# Altium PCB 控制板.PcbDoc (part 8 of 12)
Units mil, origin at the board's own origin, x right, y up, seen from the top; angles counter-clockwise.
Board outline 8150.4 x 2246.9 mil, 6 copper layers (TopLayer, MidLayer1, MidLayer2, MidLayer3, MidLayer4, BottomLayer); 1570 components, 853 nets, 4888 pads, 1859 vias.
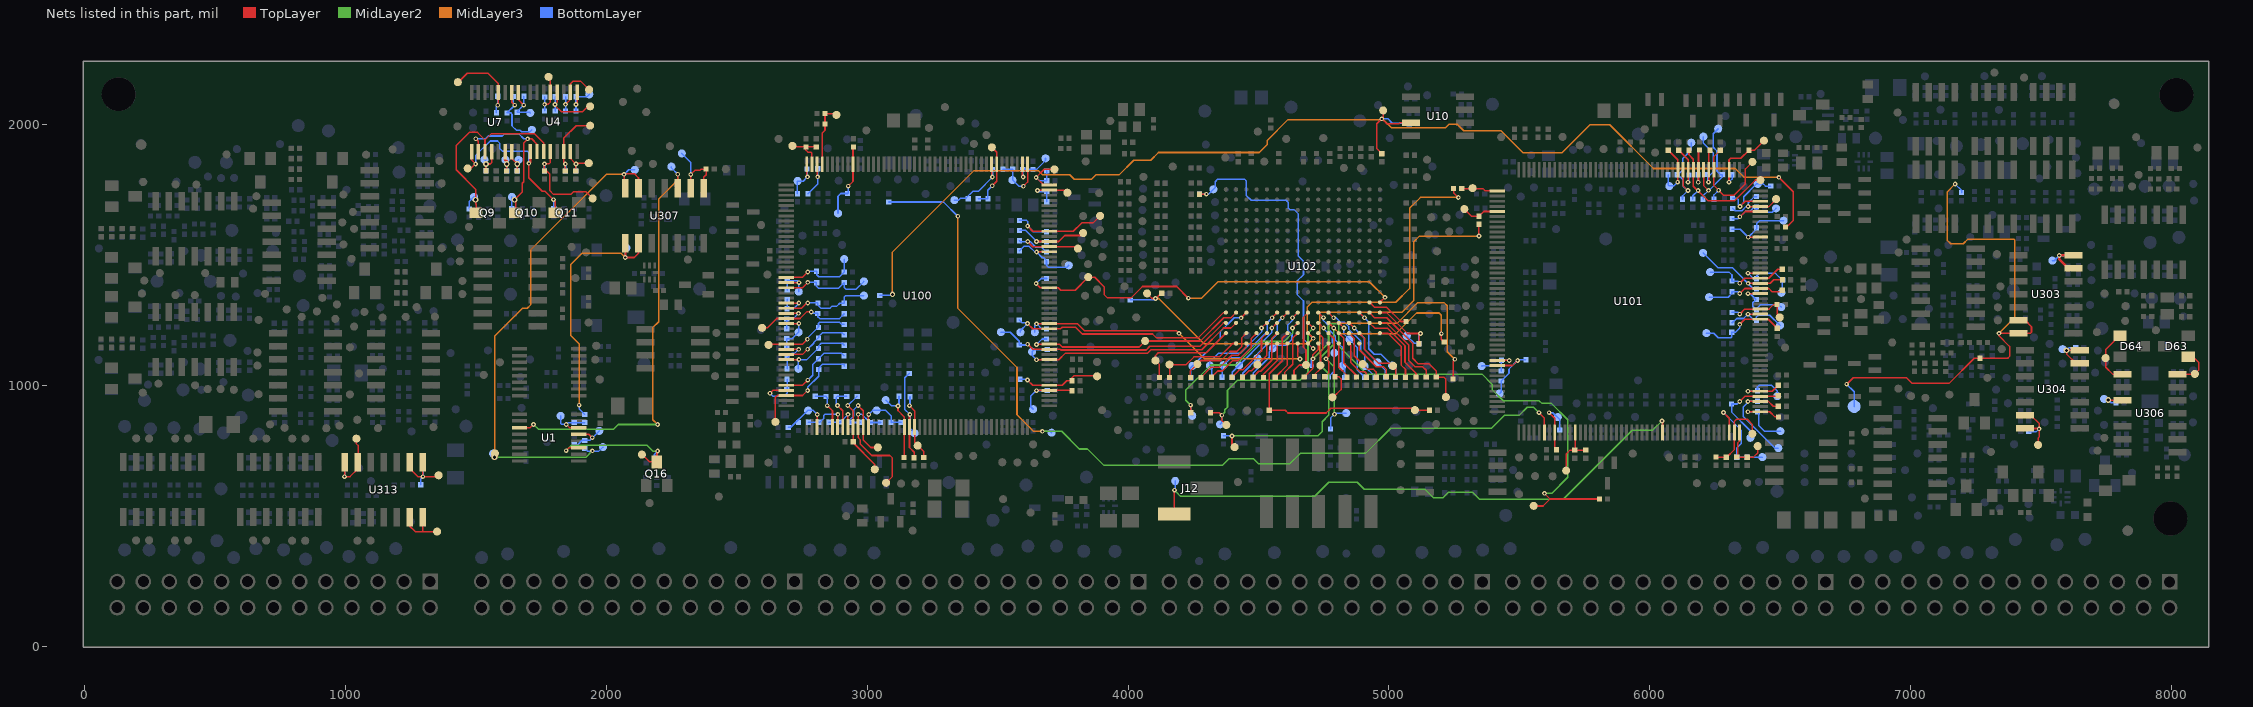
[diagram p12: the nets of this part, all layers, seen from the top]

## Via types
v1: diameter 18, hole 8, TopLayer to BottomLayer, tented both sides, 1737 vias
v2: diameter 20, hole 12, TopLayer to BottomLayer, tented both sides, 71 vias
v3: diameter 22, hole 12, TopLayer to BottomLayer, tented both sides, 51 vias

## Nets (pads, with @x,y where several pads share a name; then routed paths per layer and width w, separated by ;. In a path a pad name is that pad's centre, name@x,y a point inside that pad or via, vN(x,y) a via of type N, cw(c..) or ccw(c..) an arc to the next point about the centre after c; other vN are vias at no path point) (continued)
NetU303_6: R38.1 R324.2 TP18.1 U303.6 U303.7 | length 2025.9
  TopLayer w6: v1(6755.1,1005.3) 6755.8,1005.3 6780.5,1030 6984.7,1030 7006.5,1008.2 7148,1008.2 7244.4,1104.6 7372.8,1104.6 7379.9,1111.7 7379.9,1150 7339,1190.9 v1(7339,1200) 7459,1200 7464,1205 7464,1225.5 7439.57,1249.93 U303.6@7414.4,1249.93
  MidLayer3 w6: v1(7171.1,1773) 7141.5,1743.4 7141.5,1555.9 7154,1543.4 7202.4,1543.4 7220.7,1561.7 7396.1,1561.7 7399.9,1557.9 7399.9,1260.9 v1(7339,1200)
  BottomLayer w6: v1(6755.1,1005.3) 6784,976.4 TP18.1@6784,919.6 ; v1(7171.1,1773) 7195.7,1748.4 R324.2@7195.7,1739.6
NetU303_13: pad.323 R285.2 U303.13 U303.14 | length 211.1
  TopLayer w10: U303.13@7625.2,1449.67 7605.23,1449.67 7570.3,1484.6 v1(7570.3,1498.8) 7571.1,1499.6 U303.14@7625.2,1499.6
  BottomLayer w6: pad.323@7544,1478.8 7551.1,1478.8 7570.7,1498.4 R285.2@7608.2,1498.4
NetU304_6: pad.289@7489,772.1 R289.2 U304.6 U304.7 | length 251.7
  TopLayer w6: U304.7@7438.6,835.4 7491.6,835.4 v1(7493.2,833.8) ; U304.6@7438.6,885.33 7462.47,885.33 7494.4,853.4 7494.4,804.1 7489,798.7 pad.289@7489,772.1
  BottomLayer w6: R289.2@7453.6,823.4 7482.8,823.4 v1(7493.2,833.8)
NetU304_13: pad.322 R273.2 U304.13 U304.14 | length 168.9
  TopLayer w6: U304.13@7649.4,1085.07 7634.83,1085.07 7598.6,1121.3 v3(7598.6,1135) U304.14@7649.4,1135
  BottomLayer w6: v3(7598.6,1135) 7608.2,1144.6 R273.2@7633.2,1144.6
NetU306_7: D63.1 pad.293@8090.3,1044.6 U306.7 | length 165.2
  TopLayer w6: U306.7@8024,1043.8 8089.5,1043.8 8104.4,1058.7 8104.4,1089.2 8083.6,1110 D63.1@8064.9,1110
NetU306_8: D64.1 pad.292@7748.2,1105 U306.8 | length 220.6
  TopLayer w6: D64.1@7804,1190.5 7801.1,1190.5 7748.6,1138 7748.6,1070 7774.8,1043.8 U306.8@7813.2,1043.8
NetU306_10: pad.343 R262.2 U306.10 | length 89.7
  TopLayer w6: v3(7758.2,945) 7759.27,943.93 U306.10@7813.2,943.93
  BottomLayer w6: v3(7758.2,945) 7769.4,933.8 R262.2@7787.8,933.8
NetU307_2: pad.71@2289.2,1890 R176.2 U307.1 U307.2 | length 293
  TopLayer w6: U307.2@2322.87,1756.7 2322.87,1809.17 2338.3,1824.6 2357.8,1824.6 2363.2,1830 R176.2@2382.4,1830 2382.4,1808.4 2372.8,1798.8 U307.1@2372.8,1756.7
  BottomLayer w6: pad.71@2289.2,1890 2323.6,1855.6 v1(2323.6,1809.2)
NetU307_6: pad.61@1986.9,764.2 pad.63@1565.3,739.2 pad.69@2108.8,1827.1 pad.87@1572.4,739.6 R598.2 U307.6 U307.7 | length 2026.9
  TopLayer w6: U307.7@2073.2,1756.7 2073.2,1787.3 2067.8,1792.7 v1(2067.8,1809.6) 2070.7,1812.5 2106.8,1812.5 2123.13,1796.17 U307.6@2123.13,1756.7
  TopLayer w22: v3(1571.3,725) pad.87@1572.4,739.6
  MidLayer2 w6: v3(1571.3,725) 1921.5,725 v1(1946.1,749.6)
  MidLayer3 w6: v3(1571.3,725) 1571.3,1189.4 1678.2,1296.3 1696.5,1296.3 1709.4,1309.2 1709.4,1519.2 1999.8,1809.6 v1(2067.8,1809.6)
  BottomLayer w6: R598.2@1916.9,758.4 1926.5,748.8 1971.5,748.8 pad.61@1986.9,764.2 ; v1(2067.8,1809.6) 2085.3,1827.1 pad.69@2108.8,1827.1
NetU307_9: pad.100@2076.9,1527.5 R599.1 U307.8 U307.9 | length 1021.7
  TopLayer w6: U307.8@2073.2,1545.9 2073.2,1491.7 v1(2072.4,1490.9) 2106.9,1490.9 2123.13,1507.13 U307.9@2123.13,1545.9
  MidLayer3 w6: v1(1895.7,925) 1895.7,1159.2 1863.2,1191.7 1863.2,1464.2 1907,1508 2055.3,1508 v1(2072.4,1490.9)
  BottomLayer w6: v1(1895.7,925) 1895.7,910.4 R599.1@1916.9,889.2 ; v1(2072.4,1490.9) 2072.4,1523 pad.100@2076.9,1527.5
NetU313_6: pad.89@1350.7,440 U313.6 U313.7 | length 201
  TopLayer w6: U313.6@1246.17,495 1246.17,460.83 1267,440 pad.89@1350.7,440 ; 1296.1,441.3 U313.7@1296.1,495
NetU313_9: pad.88@1356.9,655.9 R645.2 R646.1 U313.8 U313.9 | length 277.3
  TopLayer w6: U313.9@1246.17,705.8 1246.17,681.63 1277.3,650.5 1351.5,650.5 pad.88@1356.9,655.9 ; U313.8@1296.1,705.8 1296.1,650.9 v1(1296.5,650.5)
  BottomLayer w6: R645.2@1288.1,619.6 1288.1,642.1 1297.4,651.4 R646.1@1297.4,687.5
NetU313_13: pad.37@1041.5,796.3 R685.1 U313.13 U313.14 | length 274.4
  TopLayer w6: U313.14@996.5,705.8 996.5,650.9 1017.3,650.9 1047.8,681.4 1047.8,770 1041.5,776.3 pad.37@1041.5,796.3
  BottomLayer w6: v1(996.1,650.5) 997.4,651.8 R685.1@997.4,688
R\S\T\_0: pad.201@4978.2,2054.6 R23.2 R120.1 R454.2 R553.1 U10.7 | length 4696.8
  TopLayer w6: R120.1@4972.6,1889 4972.6,1889.8 4953.6,1908.8 4953.6,2003.3 4978.2,2027.9 pad.201@4978.2,2054.6 ; v1(4972.8,2022.5) 4990.9,2004.4 5040.5,2004.4 5043.9,2007.8 U10.7@5085.2,2007.8 ; v1(6495.3,1798.4) 6550.5,1743.2 6550.5,1632.8 6525.7,1608 R23.2@6520.6,1608
  MidLayer3 w6: v2(3096.5,1349.6) 3096.5,1511.7 3409,1824.2 3655.7,1824.2 3671.9,1808 3776.5,1808 3794,1790.5 3859.5,1790.5 3876.5,1807.5 3965.2,1807.5 4021.5,1863.8 4087,1863.8 4116.6,1893.4 4502.8,1893.4 4534.4,1925 4534.4,1940.4 4613.6,2019.6 4978.6,2019.6 5009.8,1988.4 5217.4,1988.4 5230.7,2001.7 5261.9,2001.7 5286.9,1976.7 5429.9,1976.7 5514.5,1892.1 5663.6,1892.1 5771.1,1999.6 5846.8,1999.6 6014.3,1832.1 6327.8,1832.1 6361.5,1798.4 v1(6495.3,1798.4)
  BottomLayer w6: R553.1@3048.2,1345.5 3092.4,1345.5 v2(3096.5,1349.6) ; v1(4972.8,2022.5) 4996.8,2022.5 5013.4,2005.9 5075.7,2005.9 R454.2@5078.2,2003.4
U1-3_0: pad.70@2249.4,1839.6 U1.3 U307.3 | length 1650.2
  TopLayer w6: U1.3@1666.5,838.74 1708.54,838.74 v1(1720.7,850.9) ; U307.3@2272.93,1756.7 2272.93,1809.33 v1(2273.6,1810)
  MidLayer2 w6: v1(1720.7,850.9) 1739.5,832.1 2027.4,832.1 2045.8,850.5 v1(2196.5,850.5)
  MidLayer3 w6: v1(2196.5,850.5) 2178.2,868.8 2178.2,1222.1 2200.7,1244.6 2200.7,1715.5 2273.6,1788.4 v1(2273.6,1810)
  BottomLayer w6: pad.70@2249.4,1839.6 2249.4,1834.2 v1(2273.6,1810)
U1-11_0: pad.103@2136.1,735.5 Q16.3 R597.1 U1.11 | length 583.8
  TopLayer w6: v1(1845.7,750.5) 1857.06,761.86 U1.11@1894,761.86 ; pad.103@2136.1,735.5 2137.4,735.5 2165.8,707.1 Q16.3@2193.2,707.1 2194,707.9 2194,746.3 v1(2196.5,748.8)
  MidLayer2 w6: v1(1845.7,750.5) 1866.1,770.9 2155.6,770.9 2177.7,748.8 v1(2196.5,748.8)
  BottomLayer w6: R597.1@2184.4,703.4 2184.4,736.7 v1(2196.5,748.8)
U1-13_0: C371.1 pad.60@1972.8,825.9 R598.1 U1.13 | length 174.9
  TopLayer w6: U1.13@1894,813.11 1932.59,813.11 v1(1945.7,800)
  BottomLayer w6: C371.1@1876.9,773 1889.9,773 1907.4,790.5 1937.4,790.5 pad.60@1972.8,825.9
U1-14_0: C372.1 pad.59@1824.4,883.4 R599.2 U1.14 | length 178.2
  TopLayer w6: v1(1846.1,850.9) 1858.26,838.74 U1.14@1894,838.74
  BottomLayer w6: pad.59@1824.4,883.4 1824.4,855.5 1829,850.9 v1(1846.1,850.9) 1853.2,858 R599.2@1916.9,858
U4-9_0: pad.72@1468.2,1832.5 Q11.3 R621.2 U4.9 U7.9 | length 742.4
  TopLayer w6: pad.72@1468.2,1832.5 1480.4,1832.5 1497.1,1849.2 v1(1498.6,1849.2) 1483.4,1864.4 U7.9@1483.4,1896.3 ; v1(1702.8,1851.7) 1702.8,1796.3 1754.1,1745 1764.2,1745 1804,1705.2 Q11.3@1804,1662.1
  TopLayer w10: v1(1702.8,1851.7) 1708.4,1857.3 U4.9@1708.4,1897.1
  BottomLayer w6: v1(1498.6,1849.2) 1498.6,1881.7 1554.4,1937.5 1582.8,1937.5 1591.9,1928.4 1591.9,1908 1602.4,1897.5 1698.7,1897.5 1702.8,1893.4 v1(1702.8,1851.7) ; v1(1797.4,1712.5) 1797.8,1712.1 R621.2@1797.8,1677.9
U4-10_0: pad.13@1637.8,1723 Q10.3 R624.2 U4.10 U7.10 | length 687.7
  TopLayer w6: v1(1499,1946.3) 1509.03,1936.27 U7.10@1509.03,1896.3 ; Q10.3@1652.4,1662.9 1652.4,1717.1 1677.8,1742.5 1677.8,1775.7 1683.2,1781.1 1683.2,1930.1 1699,1945.9 1713.6,1945.9 1734.03,1925.47 U4.10@1734.03,1897.1
  BottomLayer w6: v1(1499,1946.3) 1536.6,1946.3 1547,1956.7 1601.1,1956.7 1609,1964.6 1664.9,1964.6 1683.6,1945.9 v1(1698.2,1945.9) ; R624.2@1637.4,1678.3 1637.4,1722.6 pad.13@1637.8,1723
  other v3: 1647.8,1712.5
U4-11_0: pad.11@1492.4,1723.4 Q9.3 R627.2 U4.11 U7.11 | length 814.8
  TopLayer w6: Q9.3@1500.7,1662.9 1500.7,1694.6 1498.6,1696.7 1498.6,1752.5 1424,1827.1 1424,1920.4 1474.1,1970.5 1505.72,1970.5 1534.66,1941.56 ; U7.11@1534.66,1896.3 1534.66,1941.56 ; U4.11@1759.66,1897.1 1759.66,1930.24 1723.8,1966.1 1559.2,1966.1 1534.66,1941.56
  BottomLayer w6: R627.2@1474.4,1677.1 1474.4,1705.4 pad.11@1492.4,1723.4
  other v3: 1498.6,1712.5
U4-Y1._0: C390.1 pad.121@1937.8,1996.3 R178.1 U4.14 | length 276.4
  TopLayer w6: R178.1@1842.4,1822.5 1842.4,1850 1836.54,1855.86 U4.14@1836.54,1897.1 1836.54,1948.84 1884,1996.3 pad.121@1937.8,1996.3
  BottomLayer w6: v1(1842.8,1849.6) 1843.2,1849.2 C390.1@1843.2,1823
U4-Y2._0: C389.1 pad.113@1932.4,1852.5 R177.1 U4.15 | length 158.2
  TopLayer w6: U4.15@1862.17,1897.1 1862.17,1870.43 1880.1,1852.5 pad.113@1932.4,1852.5 ; R177.1@1882.8,1823 1882.8,1849.2 v1(1883.2,1849.6)
  BottomLayer w6: C389.1@1883.2,1822.5 v1(1883.2,1849.6)
U4-Y3._0: C392.1 pad.111@1947.4,1717.5 R180.1 U4.12 | length 395.4
  TopLayer w6: U4.12@1785.29,1897.1 1785.29,1855.29 1780,1850 v1(1762.4,1850) 1762.4,1823.4 1770.3,1823.4 1782.6,1811.1 1782.6,1747.5 1797.3,1732.8 1863.3,1732.8 1873.7,1743.2 1921.7,1743.2 pad.111@1947.4,1717.5
  BottomLayer w6: v1(1762.4,1850) 1762.8,1849.6 C392.1@1762.8,1823
U4-Y4._0: C399.1 pad.23@1934.4,2116.3 R628.2 U4.1 | length 158.8
  TopLayer w6: v1(1883.2,2077.3) 1887.8,2081.9 U4.1@1887.8,2124.6
  BottomLayer w6: R628.2@1883.6,2052.1 1883.6,2107.1 1925.2,2107.1 pad.23@1934.4,2116.3
U4-Y5._0: C402.1 pad.71@1778.2,2183.6 R631.2 U4.5 | length 179.3
  TopLayer w6: v1(1763.2,2078) 1776.3,2078 1785.29,2086.99 U4.5@1785.29,2124.6 1785.29,2176.51 pad.71@1778.2,2183.6
  BottomLayer w6: R631.2@1763.2,2052.9 1763.2,2106.3 C402.1@1763.6,2106.7
U4-Y6._0: C400.1 pad.123@1933.6,2134.6 R629.2 U4.2 | length 229.3
  TopLayer w6: v1(1843.4,2078) 1862.17,2096.77 U4.2@1862.17,2124.6 1862.17,2156.67 1871.4,2165.9 1902.3,2165.9 pad.123@1933.6,2134.6
  BottomLayer w6: R629.2@1843.6,2052.5 C400.1@1843.6,2107.1
U4-Y7._0: C401.1 pad.122@1937.8,2070.5 R630.2 U4.4 | length 261.5
  TopLayer w6: U4.4@1810.91,2124.6 1810.91,2085.51 v1(1803.2,2077.8) 1803.2,2073.8 1826.5,2050.5 1909.1,2050.5 1929.1,2070.5 pad.122@1937.8,2070.5
  BottomLayer w6: R630.2@1803.6,2052.1 C401.1@1803.6,2107.1
U7-Y1._0: C394.1 pad.20@1612.8,1865.9 R182.1 U7.14 | length 122.2
  TopLayer w6: R182.1@1617.4,1822.5 1617.4,1849.2 v3(1618,1849.8)
  TopLayer w10: U7.14@1611.54,1896.3 1611.54,1865.36 1617.4,1859.5 v3@1617.4,1849.2
  BottomLayer w6: pad.20@1612.8,1865.9 1618.2,1860.5 C394.1@1618.2,1823
U7-Y2._0: C393.1 pad.21@1663.2,1865.5 R181.1 U7.15 | length 126.5
  TopLayer w6: U7.15@1637.17,1896.3 1637.17,1870.63 1657.8,1850 R181.1@1657.8,1822.5
  BottomLayer w6: C393.1@1658.2,1823.4 1658.2,1860.5 pad.21@1663.2,1865.5
  other v3: 1658.2,1849.6
U7-Y3._0: C396.1 pad.19@1532.4,1866.3 R184.1 U7.12 | length 136.4
  TopLayer w6: R184.1@1538.2,1823.4 v3(1538.2,1849.4) 1554.3,1849.4 1560.29,1855.39 U7.12@1560.29,1896.3
  BottomLayer w6: pad.19@1532.4,1866.3 1538.2,1860.5 C396.1@1538.2,1823.8
U7-Y4._0: C404.1 pad.15@1708.2,2045 R632.2 U7.1 | length 179.5
  TopLayer w6: U7.1@1662.8,2123.8 1662.8,2095.4 v1(1683.2,2075)
  BottomLayer w6: C404.1@1683.6,2108.8 1683.6,2075.9 1658.6,2050.9 R632.2@1658.6,2047.5 1705.7,2047.5 pad.15@1708.2,2045
U7-Y6._0: C405.1 pad.14@1714.4,1980.5 R633.2 U7.2 | length 286.7
  TopLayer w6: U7.2@1637.17,2123.8 1637.17,2086.43 v1(1648.6,2075)
  BottomLayer w6: C405.1@1643.6,2108.4 1643.6,2080 v1(1648.6,2075) 1648.2,2075 R633.2@1618.6,2045.4 1633.2,2045.4 1638.2,2040.4 1638.2,1995.4 1654,1979.6 1668.3,1979.6 1675.1,1972.8 1706.7,1972.8 pad.14@1714.4,1980.5
U7-Y7._0: C406.1 pad.68@1430.3,2163 R634.2 U7.4 | length 335.3
  TopLayer w6: pad.68@1430.3,2163 1432.4,2163 1466.5,2197.1 1545.8,2197.1 1585.91,2156.99 1585.91,2076.91 v1(1583.6,2074.6)
  BottomLayer w6: R634.2@1578.2,2045.8 1578.2,2069.2 v1(1583.6,2074.6) C406.1@1583.6,2109.2
U100-19_0: C349.2 pad.95@2911.9,1485 R562.1 U100.19 | length 307.3
  TopLayer w6: U100.19@2689,1414.47 2751.37,1414.47 v1(2771.9,1435)
  BottomLayer w6: v1(2771.9,1435) 2775.3,1438.4 R562.1@2806.1,1438.4 2806.1,1425 2814.4,1416.7 2893.7,1416.7 2911.9,1434.9 pad.95@2911.9,1485
U100-20_0: C357.2 pad.96@2737.4,1360 R572.1 U100.20 | length 166.7
  TopLayer w6: U100.20@2689,1394.78 2738.02,1394.78 v1(2738.2,1394.6)
  BottomLayer w6: R572.1@2693.4,1365.9 2693.4,1401.4 2731.4,1401.4 2737.4,1395.4 pad.96@2737.4,1360
U100-21_0: C348.2 pad.97@2987.4,1399.2 R561.1 U100.21 | length 367.7
  TopLayer w6: U100.21@2689,1375.1 2751.5,1375.1 v1(2771.9,1395.5)
  BottomLayer w6: v1(2771.9,1395.5) 2804.8,1395.5 2804.8,1381.4 2813.2,1373 2890.4,1373 C348.2@2912,1394.6 2912,1375.8 2919,1368.8 2957,1368.8 pad.97@2987.4,1399.2
U100-24_0: C356.2 R571.1 U100.24 | length 138.5
  TopLayer w6: U100.24@2689,1316.04 2737.54,1316.04 v1(2737.8,1316.3)
  BottomLayer w6: R571.1@2693.2,1330 2693.2,1294.7 2717.5,1294.7 2737.8,1315 v1(2737.8,1316.3)
U100-25_0: C347.2 pad.98@2987.4,1344.6 R560.1 U100.25 | length 353.8
  TopLayer w6: U100.25@2689,1296.36 2747.86,1296.36 2768.2,1316.7 v1(2771.9,1316.7)
  BottomLayer w6: v1(2771.9,1316.7) 2811.1,1316.7 2811.1,1308.3 2822.7,1296.7 2856.9,1296.7 2864.8,1304.6 2884,1304.6 2894.9,1315.5 C347.2@2911.6,1315.5 2911.6,1339.3 2916.9,1344.6 pad.98@2987.4,1344.6
U100-26_0: C355.2 R570.1 U100.26 | length 139.4
  TopLayer w6: U100.26@2689,1276.67 v1(2736.9,1276.7)
  BottomLayer w6: R570.1@2691.5,1218 2691.5,1255.1 2715.3,1255.1 v1(2736.9,1276.7)
U100-27_0: C346.2 pad.99@2596.9,1221.3 R559.1 U100.27 | length 365.7
  TopLayer w6: pad.99@2596.9,1221.3 2617.8,1221.3 2653.49,1256.99 2742.39,1256.99 2767.5,1282.1 v1(2785.3,1282.1)
  BottomLayer w6: v1(2785.3,1282.1) 2790.7,1276.7 R559.1@2810.7,1276.7 2810.7,1264.2 2818.2,1256.7 2893.7,1256.7 C346.2@2912,1275
U100-28_0: C354.2 pad.104@2736.9,1204.2 R569.1 U100.28 | length 174.6
  TopLayer w6: U100.28@2689,1237.3 2737.6,1237.3 v1(2737.8,1237.5)
  BottomLayer w6: R569.1@2691.5,1143.4 2691.5,1180.1 2712.8,1180.1 2737.8,1205.1 v1(2737.8,1237.5)
U100-32_0: C345.2 pad.98@2621.9,1155.9 R558.1 U100.32 | length 340.5
  TopLayer w6: pad.98@2621.9,1155.9 2624.56,1158.56 2751.76,1158.56 v1(2770.7,1177.5)
  BottomLayer w6: v1(2770.7,1177.5) 2770.7,1182.1 2813.2,1224.6 2813.2,1238.4 2818.2,1243.4 2893.1,1243.4 2902.3,1234.2 C345.2@2911.6,1234.2
U100-33_0: C353.2 R568.1 U100.33 | length 147.5
  TopLayer w6: U100.33@2689,1138.88 2737.32,1138.88 v1(2737.4,1138.8)
  BottomLayer w6: C353.2@2692.7,1064.6 2692.7,1105 2710.7,1123 2721.6,1123 v1(2737.4,1138.8)
U100-34_0: C344.2 R557.1 U100.34 | length 264.1
  TopLayer w6: U100.34@2689,1119.19 2751.49,1119.19 v1(2771.5,1139.2)
  BottomLayer w6: v1(2771.5,1139.2) 2794.9,1162.6 2794.9,1165.1 2813.6,1183.8 2813.6,1187.6 2828.5,1202.5 2903.7,1202.5 C344.2@2911.6,1194.6
U100-35_0: C343.2 pad.126@2736.3,1064.4 R556.1 U100.35 | length 291.5
  TopLayer w6: U100.35@2689,1099.51 2737.71,1099.51 v1(2737.8,1099.6)
  BottomLayer w6: pad.126@2736.3,1064.4 2736.3,1098.1 v1(2737.8,1099.6) 2769,1099.6 2813.6,1144.2 2813.6,1151.7 2823.6,1161.7 2904.5,1161.7 C343.2@2911.6,1154.6
U100-40_0: C342.2 R555.1 U100.40 | length 299.9
  TopLayer w6: U100.40@2689,1001.08 2752.28,1001.08 v1(2771.9,1020.7)
  BottomLayer w6: v1(2771.9,1020.7) 2791.1,1039.9 2791.1,1080.4 2833.7,1123 2902.8,1123 C342.2@2911.2,1114.6
U100-41_0: C352.2 R567.1 U100.41 | length 194.3
  TopLayer w6: v1(2627.1,970.5) 2638,981.4 U100.41@2689,981.4
  BottomLayer w6: v1(2627.1,970.5) 2638.4,959.2 2680.7,959.2 2692.7,971.2 C352.2@2692.7,1023.8
U100-42_0: C341.2 pad.94@2647.8,860.9 R554.1 U100.42 | length 442.4
  TopLayer w6: pad.94@2647.8,860.9 2647.8,954.9 2654.61,961.71 U100.42@2689,961.71 2751.91,961.71 v1(2771.5,981.3)
  BottomLayer w6: v1(2771.5,981.3) 2771.5,993.4 2814,1035.9 2814,1066.7 2829,1081.7 2909.9,1081.7 2911.6,1080 C341.2@2911.6,1073.8
U100-47_0: C337.2 pad.127@2773.6,904.2 R549.2 U100.47 | length 194
  TopLayer w6: U100.47@2807.77,840.8 2807.77,888.37 v1(2808.6,889.2)
  BottomLayer w6: C337.2@2697.4,839.6 2706.9,839.6 2772.8,905.5 2792.3,905.5 v1(2808.6,889.2)
U100-50_0: C340.1 R552.1 U100.50 | length 168.4
  TopLayer w6: v1(2846.9,923) 2866.83,903.07 U100.50@2866.83,840.8
  BottomLayer w6: R552.1@2801.1,958.8 2840.7,958.8 2846.9,952.6 v1(2846.9,923)
U100-51_0: C336.2 R548.2 U100.51 | length 180.9
  TopLayer w6: U100.51@2886.51,840.8 2886.51,888.71 v1(2887.4,889.6)
  BottomLayer w6: R548.2@2774.4,859.6 2819,859.6 2832.8,873.4 2832.8,884.2 2838.2,889.6 v1(2887.4,889.6)
U100-52_0: C339.1 R551.1 U100.52 | length 166.3
  TopLayer w6: v1(2886.1,923.4) 2906.2,903.3 U100.52@2906.2,840.8
  BottomLayer w6: v1(2886.1,923.4) 2880.7,928.8 2880.7,953.8 2885.3,958.4 C339.1@2921.5,958.4
U100-53_0: C335.2 R547.2 U100.53 | length 134.4
  TopLayer w6: U100.53@2925.88,840.8 2925.88,888.58 v1(2926.7,889.4)
  BottomLayer w6: C335.2@2853.6,859.6 2896.9,859.6 v1(2926.7,889.4)
U100-54_0: C338.1 pad.131@3029,678.8 R168.2 U100.54 | length 338.4
  TopLayer w6: v1(2925.5,923.4) 2946.1,902.8 R168.2@2946.1,784.6 2946.1,780.2 3029,697.3 pad.131@3029,678.8
  BottomLayer w6: v1(2925.5,923.4) 2960.5,958.4 C338.1@2961.9,958.4
U100-55_0: C333.2 pad.130@3072.4,627.1 R545.2 U100.55 | length 466.4
  TopLayer w6: v1(2965.7,889.4) 2965.25,888.95 U100.55@2965.25,840.8 2965.25,800.45 2972.8,792.9 2972.8,776.4 3017.5,731.7 3087,731.7 3096.7,722 3096.7,651.4 pad.130@3072.4,627.1
  BottomLayer w6: v1(2965.7,889.4) 2979.7,889.4 3006.1,863 3010.8,858.3 R545.2@3051.5,858.3
U100-56_0: C334.2 pad.137@3040.7,762.5 R546.2 U100.56 | length 327.7
  TopLayer w6: v1(2965.1,923.6) 2984.94,903.76 U100.56@2984.94,840.8 2984.94,790.76 3013.2,762.5 pad.137@3040.7,762.5
  BottomLayer w6: v1(2965.1,923.6) 2947.4,905.9 2947.4,882.6 2932.4,867.6 R546.2@2932.4,858.3 2932.5,858.4 2971.6,858.4 C334.2@2972.4,859.2
U100-57_0: C332.2 pad.129@3036.1,904.6 R544.2 U100.57 | length 215
  TopLayer w6: U100.57@3004.62,840.8 3004.62,887.92 v1(3005.9,889.2)
  BottomLayer w6: v1(3005.9,889.2) 3021.3,904.6 3071.5,904.6 3091.5,884.6 C332.2@3091.5,857.9 3092.3,858.7 R544.2@3130.3,858.7
U100-64_0: pad.125@3070.9,944.4 R166.1 R537.1 U100.64 | length 304
  TopLayer w6: v1(3118,921.7) 3118,903.9 3142.42,879.48 U100.64@3142.42,840.8 3142.42,725.52 R166.1@3140.7,723.8
  BottomLayer w6: pad.125@3070.9,944.4 3093.2,922.1 3118.4,922.1 3121.9,925.6 R537.1@3121.9,959.2
U100-65_0: pad.130@3181.5,817.5 R165.1 R539.1 U100.65 | length 424.8
  TopLayer w6: v1(3163.4,889.2) 3162.1,887.9 U100.65@3162.1,840.8 3162.1,762.1 3179.9,744.3 R165.1@3179.9,723.4
  BottomLayer w6: R539.1@3161.1,1046.3 3144.4,1029.6 3144.4,908.2 3164,888.6 3164,837.5 3181.5,820 pad.130@3181.5,817.5
U100-66_0: pad.136@3193.6,769.6 R164.1 R536.1 U100.66 | length 256.6
  TopLayer w6: v1(3161.9,923) 3181.79,903.11 U100.66@3181.79,840.8 3181.79,782.31 3216.9,747.2 R164.1@3216.9,723.8
  BottomLayer w6: v1(3161.9,923) 3164,925.1 R536.1@3164,956.7
U100-92_0: pad.132@3636.3,909.2 R163.2 R472.2 U100.92 | length 262.9
  TopLayer w6: v1(3649.4,980.5) 3650.3,981.4 3783.9,981.4 R163.2@3785.3,980
  BottomLayer w6: pad.132@3636.3,909.2 3627.1,918.4 3627.1,960 3648,980.9 R472.2@3689.9,980.9
U100-93_0: pad.172@3881.1,1035.5 R162.2 R498.1 U100.93 | length 327.5
  TopLayer w6: v1(3614.6,1020.9) 3634.42,1001.08 3748.18,1001.08 3765.5,1018.4 R162.2@3784.9,1018.4 3784.9,1029.5 3793.2,1037.8 3878.8,1037.8 pad.172@3881.1,1035.5
  BottomLayer w6: R498.1@3585.7,1023.8 3611.7,1023.8 v1(3614.6,1020.9)
U100-119_0: pad.107@3772.8,1460.9 R484.2 R508.1 U100.119 | length 291.2
  TopLayer w6: v1(3649.6,1511.9) 3650.59,1512.89 U100.119@3697.8,1512.89
  BottomLayer w6: R508.1@3583.6,1516.7 3600.3,1533.4 3621.5,1533.4 3643,1511.9 v1(3649.6,1511.9) 3671.5,1490 3676.6,1490 3687.4,1479.2 3687.4,1461.2 3694.8,1453.8 3765.7,1453.8 pad.107@3772.8,1460.9
U100-120_0: pad.158@3807.8,1525.3 R485.2 R509.1 U100.120 | length 324.8
  TopLayer w6: v1(3615.5,1552.1) 3635.02,1532.58 3800.52,1532.58 pad.158@3807.8,1525.3
  BottomLayer w6: R509.1@3583.6,1555.5 3587,1552.1 3624.9,1552.1 3646.5,1530.5 3668.6,1530.5 R485.2@3687,1512.1
U100-121_0: pad.157@3827.8,1584.8 R486.2 R510.1 U100.121 | length 313.3
  TopLayer w6: v1(3649.4,1551.9) 3649.76,1552.26 3734.56,1552.26 3757.6,1575.3 3818.3,1575.3 pad.157@3827.8,1584.8
  BottomLayer w6: R510.1@3584.4,1594.6 3607.4,1594.6 3651.1,1550.9 R486.2@3687.6,1550.9
U100-123_0: pad.156@3892.8,1650.3 R487.2 R511.1 U100.123 | length 442.1
  TopLayer w6: v1(3615.3,1611.5) 3635.17,1591.63 3790.23,1591.63 3822.2,1623.6 3866.1,1623.6 pad.156@3892.8,1650.3
  BottomLayer w6: R511.1@3583.6,1633 3611.1,1633 3615.3,1628.8 3615.3,1611.6 3636.9,1590 R487.2@3687.8,1590
U100-131_0: pad.149@3767.4,1739.2 R488.2 R489.2 U100.131 | length 196
  TopLayer w6: v1(3652.6,1747.5) 3654.21,1749.11 3757.49,1749.11 pad.149@3767.4,1739.2
  BottomLayer w6: v1(3652.6,1747.5) 3657.1,1743 3687.8,1743 3688.2,1743.4 R488.2@3688.2,1704.6
U100-132_0: pad.146@3717.8,1828.8 R490.2 R491.2 U100.132 | length 228.5
  TopLayer w6: U100.132@3697.8,1768.8 3676.8,1768.8 v1(3647.6,1798) 3678.4,1828.8 pad.146@3717.8,1828.8
  BottomLayer w6: v1(3647.6,1798) 3659.7,1785.9 3688.3,1785.9 R490.2@3688.7,1785.5 R491.2@3688.7,1822.5
U100-133_0: pad.79@3556.9,1787.5 R523.2 R524.2 U100.133 | length 219.6
  TopLayer w6: v1(3598.6,1764.2) 3614.85,1780.45 U100.133@3614.85,1848.5
  BottomLayer w6: R524.2@3520.7,1829.3 3557.4,1829.3 3558.2,1828.5 3558.2,1788 3582,1764.2 v1(3598.6,1764.2)
U100-134_0: pad.78@3683.6,1871.3 R521.2 R522.2 U100.134 | length 190
  TopLayer w6: U100.134@3595.17,1848.5 3595.17,1802.23 v1(3598,1799.4)
  BottomLayer w6: v1(3598,1799.4) 3596.1,1801.3 3596.1,1828 3596.5,1828.4 3649,1828.4 3683.6,1863 pad.78@3683.6,1871.3
U100-139_0: pad.144@3477.8,1913.4 R518.1 R519.1 U100.139 | length 255.8
  TopLayer w6: pad.144@3477.8,1913.4 3496.75,1894.45 U100.139@3496.75,1848.5 3496.75,1783.25 v1(3479.4,1765.9)
  BottomLayer w6: R519.1@3425.7,1716.3 3462.3,1716.3 3462.3,1748.8 v1(3479.4,1765.9)
U100-140_0: pad.82@3334,1710.7 R520.1 R525.2 U100.140 | length 262.4
  TopLayer w6: U100.140@3477.06,1848.5 3477.06,1802.44 v1(3479.9,1799.6)